# KiCad board lumpen.kicad_pcb (continued)
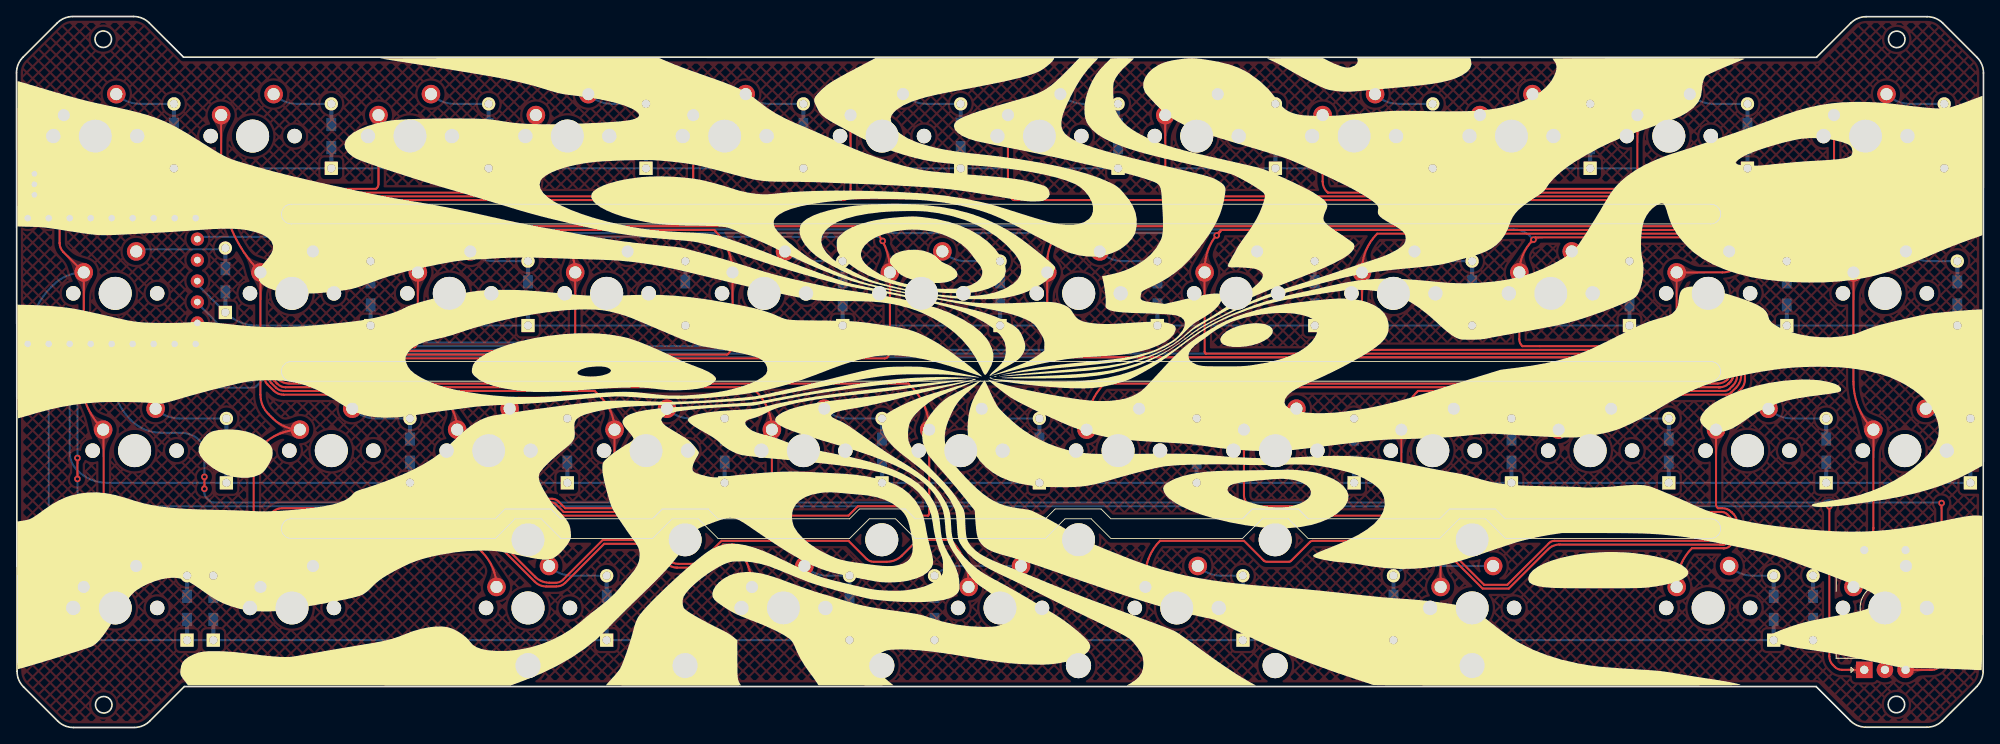
[diagram p0: board, top side]
## Copper pours and planes (outline as drawn; the poured copper is in the pictures) (continued)
Net-(D45-Pad2) on Bottom: 234.96,37.31 235.14,37.3 235.3,37.27 235.43,37.23 235.53,37.17 235.63,37.11 235.72,37.03 235.82,36.96 235.93,36.87 236.05,36.79 236.2,36.71 236.95,37.43 236.2,38.15 236.05,38.07 235.93,37.99 235.82,37.91 235.72,37.83 235.63,37.75 235.53,37.69 235.43,37.63 235.3,37.59 235.14,37.57 234.96,37.56
Net-(D45-Pad2) on Bottom: 233.12,37.66 232.9,37.73 232.73,37.82 232.6,37.93 232.51,38.06 232.45,38.2 232.4,38.36 232.36,38.54 232.31,38.72 232.24,38.92 232.15,39.12 230.7,38.95 230.93,37.51 231.19,37.47 231.41,37.45 231.61,37.45 231.79,37.46 231.96,37.48 232.13,37.5 232.32,37.5 232.54,37.5 232.78,37.47 233.07,37.41
Net-(D46-Pad2) on Bottom: 225.37,19.44 225.58,19.43 225.78,19.43 225.96,19.42 226.13,19.4 226.28,19.38 226.43,19.35 226.56,19.33 226.68,19.29 226.8,19.25 226.92,19.21 227.03,19.16 227.15,19.11 227.26,19.06 227.38,19 227.77,18.79 227.91,18.72 228.07,18.63 228.25,18.55 229.3,19.56 228.25,20.57 228.07,20.49 227.91,20.41 227.77,20.33 227.38,20.13 227.26,20.07 227.15,20.01 227.03,19.96 226.92,19.91 226.8,19.87 226.68,19.83 226.56,19.8 226.43,19.77 226.28,19.74 226.13,19.72 225.96,19.71 225.78,19.7 225.58,19.69 225.37,19.69
Net-(D46-Pad2) on Bottom: 228.57,21.48 228.57,21.41 228.57,21.34 228.56,21.28 228.55,21.21 228.54,21.15 228.53,21.09 228.52,21.03 228.5,20.98 228.48,20.93 228.47,20.88 228.26,20.58 228.76,19 229.14,20.61 228.93,20.89 228.91,20.94 228.89,20.99 228.88,21.04 228.86,21.1 228.85,21.16 228.84,21.22 228.83,21.28 228.83,21.35 228.82,21.41 228.82,21.48
Net-(D46-Pad2) on Bottom: 228.57,21.48 228.56,21.3 228.53,21.15 228.49,21.01 228.44,20.9 228.37,20.79 228.3,20.7 228.22,20.61 228.13,20.53 228.04,20.45 227.96,20.37 228.76,19 229.46,20.43 229.28,20.57 229.19,20.65 229.11,20.73 229.03,20.81 228.96,20.91 228.9,21.03 228.86,21.16 228.83,21.31 228.82,21.48
Net-(D46-Pad2) on Bottom: 218.77,19.38 218.58,19.31 218.42,19.26 218.28,19.24 218.15,19.22 218.02,19.22 217.9,19.22 217.78,19.22 217.64,19.21 217.49,19.19 217.31,19.16 217.19,18.13 218.22,18.05 218.28,18.19 218.32,18.33 218.35,18.46 218.38,18.58 218.41,18.7 218.45,18.8 218.51,18.9 218.6,18.99 218.71,19.07 218.87,19.15
Net-(D46-Pad2) on Bottom: 228.67,19.44 228.78,19.47 228.83,19.54 228.82,19.66 228.77,19.8 228.7,19.96 228.64,20.11 228.58,20.26 228.57,20.37 228.6,20.45 228.7,20.48 228.7,21.98 227.8,21.05 227.92,20.85 228.08,20.66 228.27,20.47 228.47,20.29 228.65,20.12 228.8,19.98 228.89,19.86 228.92,19.77 228.85,19.71 228.67,19.69
Net-(D46-Pad2) on Bottom: 226.49,19.44 226.76,19.42 226.98,19.38 227.16,19.32 227.31,19.23 227.44,19.14 227.57,19.03 227.71,18.91 227.86,18.79 228.03,18.67 228.25,18.55 229.3,19.56 228.25,20.57 228.03,20.46 227.86,20.34 227.71,20.21 227.57,20.1 227.44,19.99 227.31,19.89 227.16,19.81 226.98,19.74 226.76,19.7 226.49,19.69
Net-(D46-Pad2) on Bottom: 219.56,19.61 217.35,19.17 217.19,18.13 218.22,18.05 218.37,18.36 218.41,18.46 218.46,18.55 218.5,18.63 218.55,18.71 218.59,18.79 218.64,18.86 218.7,18.93 218.75,18.99 218.82,19.04 218.89,19.1 218.96,19.15 219.05,19.19 219.14,19.23 219.24,19.27 219.35,19.31 219.47,19.34 219.61,19.37
Net-(MX1-Pad2) on Bottom: 15.14,75.66 14.95,75.66 14.78,75.67 14.62,75.69 14.48,75.72 14.34,75.76 14.22,75.8 14.11,75.85 14,75.91 13.91,75.98 13.82,76.06 13.73,76.14 13.66,76.23 13.58,76.33 13.51,76.43 13.44,76.55 13.37,76.67 13.3,76.8 13.23,76.93 13.08,77.22 11.63,77.05 12.07,75.59 12.27,75.58 12.45,75.58 12.62,75.58 12.77,75.57 12.91,75.56 13.05,75.55 13.18,75.54 13.79,75.47 13.92,75.46 14.06,75.45 14.2,75.43 14.36,75.42 14.53,75.42 14.72,75.41 14.92,75.41 15.14,75.41
Net-(MX1-Pad2) on Bottom: 17.47,75.41 17.66,75.4 17.81,75.37 17.94,75.33 18.05,75.27 18.14,75.21 18.24,75.13 18.33,75.06 18.44,74.97 18.56,74.89 18.71,74.81 19.46,75.53 18.71,76.25 18.56,76.17 18.44,76.09 18.33,76.01 18.24,75.93 18.14,75.85 18.05,75.79 17.94,75.73 17.81,75.69 17.66,75.67 17.47,75.66
Net-(MX1-Pad2) on Bottom: 16.67,75.41 16.82,75.4 16.96,75.4 17.09,75.39 17.21,75.38 17.32,75.37 17.42,75.35 17.51,75.34 17.6,75.31 17.69,75.29 17.77,75.26 17.85,75.23 17.93,75.2 18.02,75.16 18.1,75.12 18.59,74.87 18.71,74.81 19.46,75.53 18.71,76.25 18.59,76.19 18.1,75.94 18.02,75.9 17.93,75.87 17.85,75.83 17.77,75.8 17.69,75.77 17.6,75.75 17.51,75.73 17.42,75.71 17.32,75.69 17.21,75.68 17.09,75.67 16.96,75.66 16.82,75.66 16.67,75.66
Net-(MX1-Pad2) on Bottom: 14.05,75.76 13.82,75.83 13.65,75.92 13.53,76.03 13.44,76.16 13.37,76.3 13.33,76.46 13.28,76.64 13.23,76.82 13.17,77.02 13.08,77.22 11.63,77.05 11.86,75.61 12.11,75.57 12.34,75.55 12.53,75.55 12.71,75.56 12.88,75.58 13.06,75.6 13.25,75.6 13.46,75.6 13.71,75.57 13.99,75.51
Net-(MX3-Pad2) on Bottom: 52.15,75.76 51.92,75.83 51.75,75.92 51.63,76.03 51.54,76.16 51.47,76.3 51.43,76.46 51.38,76.64 51.33,76.82 51.27,77.02 51.18,77.22 49.73,77.05 49.96,75.61 50.21,75.57 50.44,75.55 50.63,75.55 50.81,75.56 50.98,75.58 51.16,75.6 51.35,75.6 51.56,75.6 51.81,75.57 52.09,75.51
Net-(MX3-Pad2) on Bottom: 53.24,75.66 53.05,75.66 52.88,75.67 52.72,75.69 52.58,75.72 52.44,75.76 52.32,75.8 52.21,75.85 52.1,75.91 52.01,75.98 51.92,76.06 51.83,76.14 51.76,76.23 51.68,76.33 51.61,76.43 51.54,76.55 51.47,76.67 51.4,76.8 51.33,76.93 51.18,77.22 49.73,77.05 50.17,75.59 50.37,75.58 50.55,75.58 50.72,75.58 50.87,75.57 51.01,75.56 51.15,75.55 51.28,75.54 51.89,75.47 52.02,75.46 52.16,75.45 52.3,75.43 52.46,75.42 52.63,75.42 52.82,75.41 53.02,75.41 53.24,75.41
Net-(MX3-Pad2) on Bottom: 55.57,75.41 55.76,75.4 55.91,75.37 56.04,75.33 56.15,75.27 56.24,75.21 56.34,75.13 56.43,75.06 56.54,74.97 56.66,74.89 56.81,74.81 57.56,75.53 56.81,76.25 56.66,76.17 56.54,76.09 56.43,76.01 56.34,75.93 56.24,75.85 56.15,75.79 56.04,75.73 55.91,75.69 55.76,75.67 55.57,75.66
Net-(MX3-Pad2) on Bottom: 54.77,75.41 54.92,75.4 55.06,75.4 55.19,75.39 55.31,75.38 55.42,75.37 55.52,75.35 55.61,75.34 55.7,75.31 55.79,75.29 55.87,75.26 55.95,75.23 56.03,75.2 56.12,75.16 56.2,75.12 56.69,74.87 56.81,74.81 57.56,75.53 56.81,76.25 56.69,76.19 56.2,75.94 56.12,75.9 56.03,75.87 55.95,75.83 55.87,75.8 55.79,75.77 55.7,75.75 55.61,75.73 55.52,75.71 55.42,75.69 55.31,75.68 55.19,75.67 55.06,75.66 54.92,75.66 54.77,75.66
Net-(MX5-Pad2) on Bottom: 92.87,75.41 93.02,75.4 93.16,75.4 93.29,75.39 93.41,75.38 93.52,75.37 93.62,75.35 93.71,75.34 93.8,75.31 93.89,75.29 93.97,75.26 94.05,75.23 94.13,75.2 94.22,75.16 94.3,75.12 94.79,74.87 94.91,74.81 95.66,75.53 94.91,76.25 94.79,76.19 94.3,75.94 94.22,75.9 94.13,75.87 94.05,75.83 93.97,75.8 93.89,75.77 93.8,75.75 93.71,75.73 93.62,75.71 93.52,75.69 93.41,75.68 93.29,75.67 93.16,75.66 93.02,75.66 92.87,75.66
Net-(MX5-Pad2) on Bottom: 91.34,75.66 91.15,75.66 90.98,75.67 90.82,75.69 90.68,75.72 90.54,75.76 90.42,75.8 90.31,75.85 90.2,75.91 90.11,75.98 90.02,76.06 89.93,76.14 89.86,76.23 89.78,76.33 89.71,76.43 89.64,76.55 89.57,76.67 89.5,76.8 89.43,76.93 89.28,77.22 87.83,77.05 88.27,75.59 88.47,75.58 88.65,75.58 88.82,75.58 88.97,75.57 89.11,75.56 89.25,75.55 89.38,75.54 89.99,75.47 90.12,75.46 90.26,75.45 90.4,75.43 90.56,75.42 90.73,75.42 90.92,75.41 91.12,75.41 91.34,75.41
Net-(MX5-Pad2) on Bottom: 93.67,75.41 93.86,75.4 94.01,75.37 94.14,75.33 94.25,75.27 94.34,75.21 94.44,75.13 94.53,75.06 94.64,74.97 94.76,74.89 94.91,74.81 95.66,75.53 94.91,76.25 94.76,76.17 94.64,76.09 94.53,76.01 94.44,75.93 94.34,75.85 94.25,75.79 94.14,75.73 94.01,75.69 93.86,75.67 93.67,75.66
Net-(MX5-Pad2) on Bottom: 90.25,75.76 90.02,75.83 89.85,75.92 89.73,76.03 89.64,76.16 89.57,76.3 89.53,76.46 89.48,76.64 89.43,76.82 89.37,77.02 89.28,77.22 87.83,77.05 88.06,75.61 88.31,75.57 88.54,75.55 88.73,75.55 88.91,75.56 89.08,75.58 89.26,75.6 89.45,75.6 89.66,75.6 89.91,75.57 90.19,75.51
Net-(MX7-Pad2) on Bottom: 128.35,75.76 128.12,75.83 127.95,75.92 127.83,76.03 127.74,76.16 127.67,76.3 127.63,76.46 127.58,76.64 127.53,76.82 127.47,77.02 127.38,77.22 125.93,77.05 126.16,75.61 126.41,75.57 126.64,75.55 126.83,75.55 127.01,75.56 127.18,75.58 127.36,75.6 127.55,75.6 127.76,75.6 128.01,75.57 128.29,75.51
Net-(MX7-Pad2) on Bottom: 129.44,75.66 129.25,75.66 129.08,75.67 128.92,75.69 128.78,75.72 128.64,75.76 128.52,75.8 128.41,75.85 128.3,75.91 128.21,75.98 128.12,76.06 128.03,76.14 127.96,76.23 127.88,76.33 127.81,76.43 127.74,76.55 127.67,76.67 127.6,76.8 127.53,76.93 127.38,77.22 125.93,77.05 126.37,75.59 126.57,75.58 126.75,75.58 126.92,75.58 127.07,75.57 127.21,75.56 127.35,75.55 127.48,75.54 128.09,75.47 128.22,75.46 128.36,75.45 128.5,75.43 128.66,75.42 128.83,75.42 129.02,75.41 129.22,75.41 129.44,75.41
Net-(MX7-Pad2) on Bottom: 131.77,75.41 131.96,75.4 132.11,75.37 132.24,75.33 132.35,75.27 132.44,75.21 132.54,75.13 132.63,75.06 132.74,74.97 132.86,74.89 133.01,74.81 133.76,75.53 133.01,76.25 132.86,76.17 132.74,76.09 132.63,76.01 132.54,75.93 132.44,75.85 132.35,75.79 132.24,75.73 132.11,75.69 131.96,75.67 131.77,75.66
Net-(MX7-Pad2) on Bottom: 130.97,75.41 131.12,75.4 131.26,75.4 131.39,75.39 131.51,75.38 131.62,75.37 131.72,75.35 131.81,75.34 131.9,75.31 131.99,75.29 132.07,75.26 132.15,75.23 132.23,75.2 132.32,75.16 132.4,75.12 132.89,74.87 133.01,74.81 133.76,75.53 133.01,76.25 132.89,76.19 132.4,75.94 132.32,75.9 132.23,75.87 132.15,75.83 132.07,75.8 131.99,75.77 131.9,75.75 131.81,75.73 131.72,75.71 131.62,75.69 131.51,75.68 131.39,75.67 131.26,75.66 131.12,75.66 130.97,75.66
Net-(MX9-Pad2) on Bottom: 169.87,75.41 170.06,75.4 170.21,75.37 170.34,75.33 170.45,75.27 170.54,75.21 170.64,75.13 170.73,75.06 170.84,74.97 170.96,74.89 171.11,74.81 171.86,75.53 171.11,76.25 170.96,76.17 170.84,76.09 170.73,76.01 170.64,75.93 170.54,75.85 170.45,75.79 170.34,75.73 170.21,75.69 170.06,75.67 169.87,75.66
Net-(MX9-Pad2) on Bottom: 166.45,75.76 166.22,75.83 166.05,75.92 165.93,76.03 165.84,76.16 165.77,76.3 165.73,76.46 165.68,76.64 165.63,76.82 165.57,77.02 165.48,77.22 164.03,77.05 164.26,75.61 164.51,75.57 164.74,75.55 164.93,75.55 165.11,75.56 165.28,75.58 165.46,75.6 165.65,75.6 165.86,75.6 166.11,75.57 166.39,75.51
Net-(MX9-Pad2) on Bottom: 167.54,75.66 167.35,75.66 167.18,75.67 167.02,75.69 166.88,75.72 166.74,75.76 166.62,75.8 166.51,75.85 166.4,75.91 166.31,75.98 166.22,76.06 166.13,76.14 166.06,76.23 165.98,76.33 165.91,76.43 165.84,76.55 165.77,76.67 165.7,76.8 165.63,76.93 165.48,77.22 164.03,77.05 164.47,75.59 164.67,75.58 164.85,75.58 165.02,75.58 165.17,75.57 165.31,75.56 165.45,75.55 165.58,75.54 166.19,75.47 166.32,75.46 166.46,75.45 166.6,75.43 166.76,75.42 166.93,75.42 167.12,75.41 167.32,75.41 167.54,75.41
Net-(MX9-Pad2) on Bottom: 169.07,75.41 169.22,75.4 169.36,75.4 169.49,75.39 169.61,75.38 169.72,75.37 169.82,75.35 169.91,75.34 170,75.31 170.09,75.29 170.17,75.26 170.25,75.23 170.33,75.2 170.42,75.16 170.5,75.12 170.99,74.87 171.11,74.81 171.86,75.53 171.11,76.25 170.99,76.19 170.5,75.94 170.42,75.9 170.33,75.87 170.25,75.83 170.17,75.8 170.09,75.77 170,75.75 169.91,75.73 169.82,75.71 169.72,75.69 169.61,75.68 169.49,75.67 169.36,75.66 169.22,75.66 169.07,75.66
Net-(MX11-Pad2) on Bottom: 204.55,75.76 204.32,75.83 204.15,75.92 204.03,76.03 203.94,76.16 203.87,76.3 203.83,76.46 203.78,76.64 203.73,76.82 203.67,77.02 203.58,77.22 202.13,77.05 202.36,75.61 202.61,75.57 202.84,75.55 203.03,75.55 203.21,75.56 203.38,75.58 203.56,75.6 203.75,75.6 203.96,75.6 204.21,75.57 204.49,75.51
Net-(MX11-Pad2) on Bottom: 205.64,75.66 205.45,75.66 205.28,75.67 205.12,75.69 204.98,75.72 204.84,75.76 204.72,75.8 204.61,75.85 204.5,75.91 204.41,75.98 204.32,76.06 204.23,76.14 204.16,76.23 204.08,76.33 204.01,76.43 203.94,76.55 203.87,76.67 203.8,76.8 203.73,76.93 203.58,77.22 202.13,77.05 202.57,75.59 202.77,75.58 202.95,75.58 203.12,75.58 203.27,75.57 203.41,75.56 203.55,75.55 203.68,75.54 204.29,75.47 204.42,75.46 204.56,75.45 204.7,75.43 204.86,75.42 205.03,75.42 205.22,75.41 205.42,75.41 205.64,75.41
Net-(MX11-Pad2) on Bottom: 207.17,75.41 207.32,75.4 207.46,75.4 207.59,75.39 207.71,75.38 207.82,75.37 207.92,75.35 208.01,75.34 208.1,75.31 208.19,75.29 208.27,75.26 208.35,75.23 208.43,75.2 208.52,75.16 208.6,75.12 209.09,74.87 209.21,74.81 209.96,75.53 209.21,76.25 209.09,76.19 208.6,75.94 208.52,75.9 208.43,75.87 208.35,75.83 208.27,75.8 208.19,75.77 208.1,75.75 208.01,75.73 207.92,75.71 207.82,75.69 207.71,75.68 207.59,75.67 207.46,75.66 207.32,75.66 207.17,75.66
Net-(MX11-Pad2) on Bottom: 207.97,75.41 208.16,75.4 208.31,75.37 208.44,75.33 208.55,75.27 208.64,75.21 208.74,75.13 208.83,75.06 208.94,74.97 209.06,74.89 209.21,74.81 209.96,75.53 209.21,76.25 209.06,76.17 208.94,76.09 208.83,76.01 208.74,75.93 208.64,75.85 208.55,75.79 208.44,75.73 208.31,75.69 208.16,75.67 207.97,75.66
Net-(MX13-Pad2) on Bottom: 17.84,58.04 17.61,58.04 17.4,58.05 17.21,58.07 17.04,58.08 16.88,58.11 16.73,58.14 16.59,58.17 16.46,58.2 16.33,58.24 16.21,58.28 16.09,58.32 15.71,58.46 15.58,58.51 15.44,58.56 15.28,58.61 15.12,58.66 14.94,58.71 14.74,58.76 13.94,57.54 15.19,56.78 15.47,57 15.59,57.1 15.71,57.19 15.82,57.27 15.93,57.35 16.03,57.42 16.14,57.48 16.25,57.53 16.35,57.58 16.46,57.63 16.58,57.66 16.7,57.7 16.83,57.72 16.97,57.74 17.12,57.76 17.28,57.77 17.45,57.78 17.64,57.79 17.84,57.79
Net-(MX13-Pad2) on Bottom: 23.69,57.79 23.89,57.78 24.06,57.75 24.2,57.71 24.32,57.66 24.43,57.61 24.64,57.48 24.76,57.41 24.91,57.35 25.08,57.3 25.68,58.14 24.8,58.71 24.68,58.61 24.57,58.51 24.48,58.41 24.4,58.33 24.32,58.25 24.23,58.18 24.13,58.12 24.01,58.08 23.87,58.05 23.69,58.04
Net-(MX13-Pad2) on Bottom: 16.72,58.04 16.43,58.05 16.19,58.09 16,58.16 15.83,58.23 15.67,58.32 15.52,58.42 15.37,58.51 15.19,58.6 14.99,58.69 14.74,58.76 13.94,57.54 15.19,56.78 15.36,56.94 15.51,57.08 15.63,57.23 15.74,57.36 15.85,57.48 15.97,57.58 16.1,57.67 16.27,57.73 16.47,57.78 16.72,57.79
Net-(MX13-Pad2) on Bottom: 22.89,57.79 23.05,57.79 23.2,57.78 23.33,57.77 23.46,57.76 23.57,57.75 23.68,57.73 23.78,57.71 23.87,57.69 23.96,57.66 24.05,57.64 24.13,57.61 24.59,57.44 24.7,57.41 24.81,57.37 24.94,57.33 25.08,57.3 25.68,58.14 24.8,58.71 24.6,58.56 24.51,58.49 24.43,58.43 24.35,58.38 24.27,58.33 24.19,58.28 24.11,58.24 24.04,58.21 23.96,58.17 23.88,58.15 23.8,58.12 23.71,58.1 23.62,58.08 23.52,58.07 23.41,58.06 23.3,58.05 23.17,58.04 23.04,58.04 22.89,58.04
Net-(MX15-Pad2) on Bottom: 58,56.61 57.81,56.61 57.64,56.62 57.48,56.64 57.34,56.67 57.21,56.71 57.08,56.75 56.97,56.8 56.87,56.86 56.77,56.93 56.68,57.01 56.6,57.09 56.52,57.18 56.44,57.28 56.37,57.38 56.3,57.5 56.23,57.62 56.16,57.75 56.09,57.88 55.94,58.17 54.49,58 54.94,56.54 55.13,56.53 55.31,56.53 55.48,56.53 55.63,56.52 55.77,56.51 55.91,56.5 56.04,56.49 56.65,56.42 56.78,56.41 56.92,56.4 57.07,56.38 57.22,56.37 57.39,56.37 57.58,56.36 57.78,56.36 58,56.36
Net-(MX15-Pad2) on Bottom: 56.91,56.71 56.69,56.78 56.52,56.87 56.39,56.98 56.3,57.11 56.24,57.25 56.19,57.41 56.14,57.59 56.09,57.77 56.03,57.97 55.94,58.17 54.49,58 54.72,56.56 54.98,56.52 55.2,56.5 55.39,56.5 55.57,56.51 55.75,56.53 55.92,56.55 56.11,56.55 56.32,56.55 56.57,56.52 56.86,56.46
Net-(MX15-Pad2) on Bottom: 59.53,56.36 59.68,56.35 59.82,56.35 59.95,56.34 60.07,56.33 60.18,56.32 60.28,56.3 60.38,56.29 60.47,56.26 60.55,56.24 60.63,56.21 60.72,56.18 60.8,56.15 60.88,56.11 60.96,56.07 61.45,55.82 61.57,55.76 62.32,56.48 61.57,57.2 61.45,57.14 60.96,56.89 60.88,56.85 60.8,56.82 60.72,56.78 60.63,56.75 60.55,56.72 60.47,56.7 60.38,56.68 60.28,56.66 60.18,56.64 60.07,56.63 59.95,56.62 59.82,56.61 59.68,56.61 59.53,56.61
Net-(MX15-Pad2) on Bottom: 60.33,56.36 60.52,56.35 60.67,56.32 60.8,56.28 60.91,56.22 61.01,56.16 61.1,56.08 61.19,56.01 61.3,55.92 61.42,55.84 61.57,55.76 62.32,56.48 61.57,57.2 61.42,57.12 61.3,57.04 61.19,56.96 61.1,56.88 61.01,56.8 60.91,56.74 60.8,56.68 60.67,56.64 60.52,56.62 60.33,56.61
Net-(MX17-Pad2) on Bottom: 98.43,56.36 98.62,56.35 98.77,56.32 98.9,56.28 99.01,56.22 99.11,56.16 99.2,56.08 99.29,56.01 99.4,55.92 99.52,55.84 99.67,55.76 100.42,56.48 99.67,57.2 99.52,57.12 99.4,57.04 99.29,56.96 99.2,56.88 99.11,56.8 99.01,56.74 98.9,56.68 98.77,56.64 98.62,56.62 98.43,56.61
Net-(MX17-Pad2) on Bottom: 97.63,56.36 97.78,56.35 97.92,56.35 98.05,56.34 98.17,56.33 98.28,56.32 98.38,56.3 98.48,56.29 98.57,56.26 98.65,56.24 98.73,56.21 98.82,56.18 98.9,56.15 98.98,56.11 99.06,56.07 99.55,55.82 99.67,55.76 100.42,56.48 99.67,57.2 99.55,57.14 99.06,56.89 98.98,56.85 98.9,56.82 98.82,56.78 98.73,56.75 98.65,56.72 98.57,56.7 98.48,56.68 98.38,56.66 98.28,56.64 98.17,56.63 98.05,56.62 97.92,56.61 97.78,56.61 97.63,56.61
Net-(MX17-Pad2) on Bottom: 96.1,56.61 95.91,56.61 95.74,56.62 95.58,56.64 95.44,56.67 95.31,56.71 95.18,56.75 95.07,56.8 94.97,56.86 94.87,56.93 94.78,57.01 94.7,57.09 94.62,57.18 94.54,57.28 94.47,57.38 94.4,57.5 94.33,57.62 94.26,57.75 94.19,57.88 94.04,58.17 92.59,58 93.04,56.54 93.23,56.53 93.41,56.53 93.58,56.53 93.73,56.52 93.87,56.51 94.01,56.5 94.14,56.49 94.75,56.42 94.88,56.41 95.02,56.4 95.17,56.38 95.32,56.37 95.49,56.37 95.68,56.36 95.88,56.36 96.1,56.36
Net-(MX17-Pad2) on Bottom: 95.01,56.71 94.79,56.78 94.62,56.87 94.49,56.98 94.4,57.11 94.34,57.25 94.29,57.41 94.24,57.59 94.19,57.77 94.13,57.97 94.04,58.17 92.59,58 92.82,56.56 93.08,56.52 93.3,56.5 93.49,56.5 93.67,56.51 93.85,56.53 94.02,56.55 94.21,56.55 94.42,56.55 94.67,56.52 94.96,56.46
Net-(MX19-Pad2) on Bottom: 136.53,56.36 136.72,56.35 136.87,56.32 137,56.28 137.11,56.22 137.21,56.16 137.3,56.08 137.39,56.01 137.5,55.92 137.62,55.84 137.77,55.76 138.52,56.48 137.77,57.2 137.62,57.12 137.5,57.04 137.39,56.96 137.3,56.88 137.21,56.8 137.11,56.74 137,56.68 136.87,56.64 136.72,56.62 136.53,56.61
Net-(MX19-Pad2) on Bottom: 135.73,56.36 135.88,56.35 136.02,56.35 136.15,56.34 136.27,56.33 136.38,56.32 136.48,56.3 136.58,56.29 136.67,56.26 136.75,56.24 136.83,56.21 136.92,56.18 137,56.15 137.08,56.11 137.16,56.07 137.65,55.82 137.77,55.76 138.52,56.48 137.77,57.2 137.65,57.14 137.16,56.89 137.08,56.85 137,56.82 136.92,56.78 136.83,56.75 136.75,56.72 136.67,56.7 136.58,56.68 136.48,56.66 136.38,56.64 136.27,56.63 136.15,56.62 136.02,56.61 135.88,56.61 135.73,56.61
Net-(MX19-Pad2) on Bottom: 134.2,56.61 134.01,56.61 133.84,56.62 133.68,56.64 133.54,56.67 133.41,56.71 133.28,56.75 133.17,56.8 133.07,56.86 132.97,56.93 132.88,57.01 132.8,57.09 132.72,57.18 132.64,57.28 132.57,57.38 132.5,57.5 132.43,57.62 132.36,57.75 132.29,57.88 132.14,58.17 130.69,58 131.14,56.54 131.33,56.53 131.51,56.53 131.68,56.53 131.83,56.52 131.97,56.51 132.11,56.5 132.24,56.49 132.85,56.42 132.98,56.41 133.12,56.4 133.27,56.38 133.42,56.37 133.59,56.37 133.78,56.36 133.98,56.36 134.2,56.36
Net-(MX19-Pad2) on Bottom: 133.11,56.71 132.89,56.78 132.72,56.87 132.59,56.98 132.5,57.11 132.44,57.25 132.39,57.41 132.34,57.59 132.29,57.77 132.23,57.97 132.14,58.17 130.69,58 130.92,56.56 131.18,56.52 131.4,56.5 131.59,56.5 131.77,56.51 131.95,56.53 132.12,56.55 132.31,56.55 132.52,56.55 132.77,56.52 133.06,56.46
Net-(MX21-Pad2) on Bottom: 171.21,56.71 170.99,56.78 170.82,56.87 170.69,56.98 170.6,57.11 170.54,57.25 170.49,57.41 170.44,57.59 170.39,57.77 170.33,57.97 170.24,58.17 168.79,58 169.02,56.56 169.28,56.52 169.5,56.5 169.69,56.5 169.87,56.51 170.05,56.53 170.22,56.55 170.41,56.55 170.62,56.55 170.87,56.52 171.16,56.46
Net-(MX21-Pad2) on Bottom: 172.3,56.61 172.11,56.61 171.94,56.62 171.78,56.64 171.64,56.67 171.51,56.71 171.38,56.75 171.27,56.8 171.17,56.86 171.07,56.93 170.98,57.01 170.9,57.09 170.82,57.18 170.74,57.28 170.67,57.38 170.6,57.5 170.53,57.62 170.46,57.75 170.39,57.88 170.24,58.17 168.79,58 169.24,56.54 169.43,56.53 169.61,56.53 169.78,56.53 169.93,56.52 170.07,56.51 170.21,56.5 170.34,56.49 170.95,56.42 171.08,56.41 171.22,56.4 171.37,56.38 171.52,56.37 171.69,56.37 171.88,56.36 172.08,56.36 172.3,56.36
Net-(MX21-Pad2) on Bottom: 174.63,56.36 174.82,56.35 174.97,56.32 175.1,56.28 175.21,56.22 175.31,56.16 175.4,56.08 175.49,56.01 175.6,55.92 175.72,55.84 175.87,55.76 176.62,56.48 175.87,57.2 175.72,57.12 175.6,57.04 175.49,56.96 175.4,56.88 175.31,56.8 175.21,56.74 175.1,56.68 174.97,56.64 174.82,56.62 174.63,56.61
Net-(MX21-Pad2) on Bottom: 173.83,56.36 173.98,56.35 174.12,56.35 174.25,56.34 174.37,56.33 174.48,56.32 174.58,56.3 174.68,56.29 174.77,56.26 174.85,56.24 174.93,56.21 175.02,56.18 175.1,56.15 175.18,56.11 175.26,56.07 175.75,55.82 175.87,55.76 176.62,56.48 175.87,57.2 175.75,57.14 175.26,56.89 175.18,56.85 175.1,56.82 175.02,56.78 174.93,56.75 174.85,56.72 174.77,56.7 174.68,56.68 174.58,56.66 174.48,56.64 174.37,56.63 174.25,56.62 174.12,56.61 173.98,56.61 173.83,56.61
Net-(MX23-Pad2) on Bottom: 210.4,56.61 210.21,56.61 210.04,56.62 209.88,56.64 209.74,56.67 209.61,56.71 209.48,56.75 209.37,56.8 209.27,56.86 209.17,56.93 209.08,57.01 209,57.09 208.92,57.18 208.84,57.28 208.77,57.38 208.7,57.5 208.63,57.62 208.56,57.75 208.49,57.88 208.34,58.17 206.89,58 207.34,56.54 207.53,56.53 207.71,56.53 207.88,56.53 208.03,56.52 208.17,56.51 208.31,56.5 208.44,56.49 209.05,56.42 209.18,56.41 209.32,56.4 209.47,56.38 209.62,56.37 209.79,56.37 209.98,56.36 210.18,56.36 210.4,56.36
Net-(MX23-Pad2) on Bottom: 211.93,56.36 212.08,56.35 212.22,56.35 212.35,56.34 212.47,56.33 212.58,56.32 212.68,56.3 212.78,56.29 212.87,56.26 212.95,56.24 213.03,56.21 213.12,56.18 213.2,56.15 213.28,56.11 213.36,56.07 213.85,55.82 213.97,55.76 214.72,56.48 213.97,57.2 213.85,57.14 213.36,56.89 213.28,56.85 213.2,56.82 213.12,56.78 213.03,56.75 212.95,56.72 212.87,56.7 212.78,56.68 212.68,56.66 212.58,56.64 212.47,56.63 212.35,56.62 212.22,56.61 212.08,56.61 211.93,56.61
Net-(MX23-Pad2) on Bottom: 212.73,56.36 212.92,56.35 213.07,56.32 213.2,56.28 213.31,56.22 213.41,56.16 213.5,56.08 213.59,56.01 213.7,55.92 213.82,55.84 213.97,55.76 214.72,56.48 213.97,57.2 213.82,57.12 213.7,57.04 213.59,56.96 213.5,56.88 213.41,56.8 213.31,56.74 213.2,56.68 213.07,56.64 212.92,56.62 212.73,56.61
Net-(MX23-Pad2) on Bottom: 209.31,56.71 209.09,56.78 208.92,56.87 208.79,56.98 208.7,57.11 208.64,57.25 208.59,57.41 208.54,57.59 208.49,57.77 208.43,57.97 208.34,58.17 206.89,58 207.12,56.56 207.38,56.52 207.6,56.5 207.79,56.5 207.97,56.51 208.15,56.53 208.32,56.55 208.51,56.55 208.72,56.55 208.97,56.52 209.26,56.46
Net-(MX25-Pad2) on Bottom: 19.9,37.56 19.71,37.56 19.54,37.57 19.38,37.59 19.24,37.62 19.11,37.66 18.98,37.7 18.87,37.75 18.77,37.81 18.67,37.88 18.58,37.96 18.5,38.04 18.42,38.13 18.34,38.23 18.27,38.33 18.2,38.45 18.13,38.57 18.06,38.7 17.99,38.83 17.84,39.12 16.39,38.95 16.84,37.49 17.03,37.48 17.21,37.48 17.38,37.48 17.53,37.47 17.67,37.46 17.81,37.45 17.94,37.44 18.55,37.37 18.68,37.36 18.82,37.35 18.97,37.33 19.12,37.32 19.29,37.32 19.48,37.31 19.68,37.31 19.9,37.31
Net-(MX25-Pad2) on Bottom: 18.81,37.66 18.59,37.73 18.42,37.82 18.29,37.93 18.2,38.06 18.14,38.2 18.09,38.36 18.04,38.54 17.99,38.72 17.93,38.92 17.84,39.12 16.39,38.95 16.62,37.51 16.88,37.47 17.1,37.45 17.29,37.45 17.47,37.46 17.65,37.48 17.82,37.5 18.01,37.5 18.22,37.5 18.47,37.47 18.76,37.41
Net-(MX25-Pad2) on Bottom: 23.82,37.31 24.01,37.3 24.16,37.27 24.29,37.23 24.4,37.17 24.49,37.11 24.59,37.03 24.68,36.96 24.79,36.87 24.91,36.79 25.06,36.71 25.81,37.43 25.06,38.15 24.91,38.07 24.79,37.99 24.68,37.91 24.59,37.83 24.49,37.75 24.4,37.69 24.29,37.63 24.16,37.59 24.01,37.57 23.82,37.56
Net-(MX25-Pad2) on Bottom: 23.02,37.31 23.17,37.3 23.31,37.3 23.44,37.29 23.56,37.28 23.67,37.27 23.77,37.25 23.86,37.24 23.95,37.21 24.04,37.19 24.12,37.16 24.2,37.13 24.28,37.1 24.37,37.06 24.45,37.02 24.94,36.77 25.06,36.71 25.81,37.43 25.06,38.15 24.94,38.09 24.45,37.84 24.37,37.8 24.28,37.77 24.2,37.73 24.12,37.7 24.04,37.67 23.95,37.65 23.86,37.63 23.77,37.61 23.67,37.59 23.56,37.58 23.44,37.57 23.31,37.56 23.17,37.56 23.02,37.56
Net-(MX27-Pad2) on Bottom: 64.29,37.31 64.45,37.3 64.59,37.3 64.72,37.29 64.83,37.28 64.94,37.27 65.04,37.25 65.14,37.24 65.23,37.21 65.31,37.19 65.4,37.16 65.48,37.13 65.56,37.1 65.64,37.06 65.72,37.02 66.21,36.77 66.34,36.71 67.08,37.43 66.34,38.15 66.21,38.09 65.72,37.84 65.64,37.8 65.56,37.77 65.48,37.73 65.4,37.7 65.31,37.67 65.23,37.65 65.14,37.63 65.04,37.61 64.94,37.59 64.83,37.58 64.72,37.57 64.59,37.56 64.45,37.56 64.29,37.56
Net-(MX27-Pad2) on Bottom: 61.67,37.66 61.45,37.73 61.28,37.82 61.15,37.93 61.06,38.06 61,38.2 60.95,38.36 60.91,38.54 60.86,38.72 60.79,38.92 60.7,39.12 59.25,38.95 59.48,37.51 59.74,37.47 59.96,37.45 60.16,37.45 60.34,37.46 60.51,37.48 60.68,37.5 60.87,37.5 61.09,37.5 61.33,37.47 61.62,37.41
Net-(MX27-Pad2) on Bottom: 62.76,37.56 62.58,37.56 62.41,37.57 62.25,37.59 62.1,37.62 61.97,37.66 61.85,37.7 61.73,37.75 61.63,37.81 61.53,37.88 61.44,37.96 61.36,38.04 61.28,38.13 61.21,38.23 61.13,38.33 61.06,38.45 60.99,38.57 60.92,38.7 60.85,38.83 60.7,39.12 59.25,38.95 59.7,37.49 59.9,37.48 60.07,37.48 60.24,37.48 60.39,37.47 60.54,37.46 60.67,37.45 60.8,37.44 61.41,37.37 61.55,37.36 61.68,37.35 61.83,37.33 61.99,37.32 62.16,37.32 62.34,37.31 62.54,37.31 62.76,37.31
Net-(MX27-Pad2) on Bottom: 65.09,37.31 65.28,37.3 65.44,37.27 65.56,37.23 65.67,37.17 65.77,37.11 65.86,37.03 65.96,36.96 66.06,36.87 66.19,36.79 66.34,36.71 67.08,37.43 66.34,38.15 66.19,38.07 66.06,37.99 65.96,37.91 65.86,37.83 65.77,37.75 65.67,37.69 65.56,37.63 65.44,37.59 65.28,37.57 65.09,37.56
Net-(MX29-Pad2) on Bottom: 103.19,37.31 103.38,37.3 103.54,37.27 103.66,37.23 103.77,37.17 103.87,37.11 103.96,37.03 104.06,36.96 104.16,36.87 104.29,36.79 104.44,36.71 105.18,37.43 104.44,38.15 104.29,38.07 104.16,37.99 104.06,37.91 103.96,37.83 103.87,37.75 103.77,37.69 103.66,37.63 103.54,37.59 103.38,37.57 103.19,37.56
Net-(MX29-Pad2) on Bottom: 100.86,37.56 100.68,37.56 100.51,37.57 100.35,37.59 100.2,37.62 100.07,37.66 99.95,37.7 99.83,37.75 99.73,37.81 99.63,37.88 99.54,37.96 99.46,38.04 99.38,38.13 99.31,38.23 99.23,38.33 99.16,38.45 99.09,38.57 99.02,38.7 98.95,38.83 98.8,39.12 97.35,38.95 97.8,37.49 98,37.48 98.17,37.48 98.34,37.48 98.49,37.47 98.64,37.46 98.77,37.45 98.9,37.44 99.51,37.37 99.65,37.36 99.78,37.35 99.93,37.33 100.09,37.32 100.26,37.32 100.44,37.31 100.64,37.31 100.86,37.31
Net-(MX29-Pad2) on Bottom: 99.77,37.66 99.55,37.73 99.38,37.82 99.25,37.93 99.16,38.06 99.1,38.2 99.05,38.36 99.01,38.54 98.96,38.72 98.89,38.92 98.8,39.12 97.35,38.95 97.58,37.51 97.84,37.47 98.06,37.45 98.26,37.45 98.44,37.46 98.61,37.48 98.78,37.5 98.97,37.5 99.19,37.5 99.43,37.47 99.72,37.41
Net-(MX29-Pad2) on Bottom: 102.39,37.31 102.55,37.3 102.69,37.3 102.82,37.29 102.93,37.28 103.04,37.27 103.14,37.25 103.24,37.24 103.33,37.21 103.41,37.19 103.5,37.16 103.58,37.13 103.66,37.1 103.74,37.06 103.82,37.02 104.31,36.77 104.44,36.71 105.18,37.43 104.44,38.15 104.31,38.09 103.82,37.84 103.74,37.8 103.66,37.77 103.58,37.73 103.5,37.7 103.41,37.67 103.33,37.65 103.24,37.63 103.14,37.61 103.04,37.59 102.93,37.58 102.82,37.57 102.69,37.56 102.55,37.56 102.39,37.56
Net-(MX31-Pad2) on Bottom: 137.87,37.66 137.65,37.73 137.48,37.82 137.35,37.93 137.26,38.06 137.2,38.2 137.15,38.36 137.11,38.54 137.06,38.72 136.99,38.92 136.9,39.12 135.45,38.95 135.68,37.51 135.94,37.47 136.16,37.45 136.36,37.45 136.54,37.46 136.71,37.48 136.88,37.5 137.07,37.5 137.29,37.5 137.53,37.47 137.82,37.41
Net-(MX31-Pad2) on Bottom: 138.96,37.56 138.78,37.56 138.61,37.57 138.45,37.59 138.3,37.62 138.17,37.66 138.05,37.7 137.93,37.75 137.83,37.81 137.73,37.88 137.64,37.96 137.56,38.04 137.48,38.13 137.41,38.23 137.33,38.33 137.26,38.45 137.19,38.57 137.12,38.7 137.05,38.83 136.9,39.12 135.45,38.95 135.9,37.49 136.1,37.48 136.27,37.48 136.44,37.48 136.59,37.47 136.74,37.46 136.87,37.45 137,37.44 137.61,37.37 137.75,37.36 137.88,37.35 138.03,37.33 138.19,37.32 138.36,37.32 138.54,37.31 138.74,37.31 138.96,37.31
Net-(MX31-Pad2) on Bottom: 141.29,37.31 141.48,37.3 141.64,37.27 141.76,37.23 141.87,37.17 141.97,37.11 142.06,37.03 142.16,36.96 142.26,36.87 142.39,36.79 142.54,36.71 143.28,37.43 142.54,38.15 142.39,38.07 142.26,37.99 142.16,37.91 142.06,37.83 141.97,37.75 141.87,37.69 141.76,37.63 141.64,37.59 141.48,37.57 141.29,37.56
Net-(MX31-Pad2) on Bottom: 140.49,37.31 140.65,37.3 140.79,37.3 140.92,37.29 141.03,37.28 141.14,37.27 141.24,37.25 141.34,37.24 141.43,37.21 141.51,37.19 141.6,37.16 141.68,37.13 141.76,37.1 141.84,37.06 141.92,37.02 142.41,36.77 142.54,36.71 143.28,37.43 142.54,38.15 142.41,38.09 141.92,37.84 141.84,37.8 141.76,37.77 141.68,37.73 141.6,37.7 141.51,37.67 141.43,37.65 141.34,37.63 141.24,37.61 141.14,37.59 141.03,37.58 140.92,37.57 140.79,37.56 140.65,37.56 140.49,37.56
Net-(MX33-Pad2) on Bottom: 178.59,37.31 178.75,37.3 178.89,37.3 179.02,37.29 179.13,37.28 179.24,37.27 179.34,37.25 179.44,37.24 179.53,37.21 179.61,37.19 179.7,37.16 179.78,37.13 179.86,37.1 179.94,37.06 180.02,37.02 180.51,36.77 180.64,36.71 181.38,37.43 180.64,38.15 180.51,38.09 180.02,37.84 179.94,37.8 179.86,37.77 179.78,37.73 179.7,37.7 179.61,37.67 179.53,37.65 179.44,37.63 179.34,37.61 179.24,37.59 179.13,37.58 179.02,37.57 178.89,37.56 178.75,37.56 178.59,37.56
Net-(MX33-Pad2) on Bottom: 177.06,37.56 176.88,37.56 176.71,37.57 176.55,37.59 176.4,37.62 176.27,37.66 176.15,37.7 176.03,37.75 175.93,37.81 175.83,37.88 175.74,37.96 175.66,38.04 175.58,38.13 175.51,38.23 175.43,38.33 175.36,38.45 175.29,38.57 175.22,38.7 175.15,38.83 175,39.12 173.55,38.95 174,37.49 174.2,37.48 174.37,37.48 174.54,37.48 174.69,37.47 174.84,37.46 174.97,37.45 175.1,37.44 175.71,37.37 175.85,37.36 175.98,37.35 176.13,37.33 176.29,37.32 176.46,37.32 176.64,37.31 176.84,37.31 177.06,37.31
Net-(MX33-Pad2) on Bottom: 179.39,37.31 179.58,37.3 179.74,37.27 179.86,37.23 179.97,37.17 180.07,37.11 180.16,37.03 180.26,36.96 180.36,36.87 180.49,36.79 180.64,36.71 181.38,37.43 180.64,38.15 180.49,38.07 180.36,37.99 180.26,37.91 180.16,37.83 180.07,37.75 179.97,37.69 179.86,37.63 179.74,37.59 179.58,37.57 179.39,37.56
Net-(MX33-Pad2) on Bottom: 175.97,37.66 175.75,37.73 175.58,37.82 175.45,37.93 175.36,38.06 175.3,38.2 175.25,38.36 175.21,38.54 175.16,38.72 175.09,38.92 175,39.12 173.55,38.95 173.78,37.51 174.04,37.47 174.26,37.45 174.46,37.45 174.64,37.46 174.81,37.48 174.98,37.5 175.17,37.5 175.39,37.5 175.63,37.47 175.92,37.41
Net-(MX35-Pad2) on Bottom: 215.16,37.56 214.98,37.56 214.81,37.57 214.65,37.59 214.5,37.62 214.37,37.66 214.25,37.7 214.13,37.75 214.03,37.81 213.93,37.88 213.84,37.96 213.76,38.04 213.68,38.13 213.61,38.23 213.53,38.33 213.46,38.45 213.39,38.57 213.32,38.7 213.25,38.83 213.1,39.12 211.65,38.95 212.1,37.49 212.3,37.48 212.47,37.48 212.64,37.48 212.79,37.47 212.94,37.46 213.07,37.45 213.2,37.44 213.81,37.37 213.95,37.36 214.08,37.35 214.23,37.33 214.39,37.32 214.56,37.32 214.74,37.31 214.94,37.31 215.16,37.31
Net-(MX35-Pad2) on Bottom: 214.07,37.66 213.85,37.73 213.68,37.82 213.55,37.93 213.46,38.06 213.4,38.2 213.35,38.36 213.31,38.54 213.26,38.72 213.19,38.92 213.1,39.12 211.65,38.95 211.88,37.51 212.14,37.47 212.36,37.45 212.56,37.45 212.74,37.46 212.91,37.48 213.08,37.5 213.27,37.5 213.49,37.5 213.73,37.47 214.02,37.41
Net-(MX35-Pad2) on Bottom: 217.49,37.31 217.68,37.3 217.84,37.27 217.96,37.23 218.07,37.17 218.17,37.11 218.26,37.03 218.36,36.96 218.46,36.87 218.59,36.79 218.74,36.71 219.48,37.43 218.74,38.15 218.59,38.07 218.46,37.99 218.36,37.91 218.26,37.83 218.17,37.75 218.07,37.69 217.96,37.63 217.84,37.59 217.68,37.57 217.49,37.56
Net-(MX35-Pad2) on Bottom: 216.69,37.31 216.85,37.3 216.99,37.3 217.12,37.29 217.23,37.28 217.34,37.27 217.44,37.25 217.54,37.24 217.63,37.21 217.71,37.19 217.8,37.16 217.88,37.13 217.96,37.1 218.04,37.06 218.12,37.02 218.61,36.77 218.74,36.71 219.48,37.43 218.74,38.15 218.61,38.09 218.12,37.84 218.04,37.8 217.96,37.77 217.88,37.73 217.8,37.7 217.71,37.67 217.63,37.65 217.54,37.63 217.44,37.61 217.34,37.59 217.23,37.58 217.12,37.57 216.99,37.56 216.85,37.56 216.69,37.56
Net-(MX37-Pad2) on Bottom: 16.46,18.61 16.24,18.68 16.07,18.77 15.94,18.88 15.85,19.01 15.79,19.15 15.74,19.31 15.69,19.49 15.64,19.67 15.58,19.87 15.49,20.07 14.04,19.9 14.27,18.46 14.53,18.42 14.75,18.4 14.95,18.4 15.12,18.41 15.3,18.43 15.47,18.45 15.66,18.45 15.87,18.45 16.12,18.42 16.41,18.36
Net-(MX37-Pad2) on Bottom: 18.26,18.26 18.41,18.25 18.55,18.25 18.68,18.24 18.8,18.23 18.91,18.22 19.01,18.2 19.1,18.19 19.19,18.16 19.28,18.14 19.36,18.11 19.44,18.08 19.52,18.05 19.6,18.01 19.69,17.97 20.18,17.72 20.3,17.66 21.05,18.38 20.3,19.1 20.18,19.04 19.69,18.79 19.6,18.75 19.52,18.72 19.44,18.68 19.36,18.65 19.28,18.62 19.19,18.6 19.1,18.58 19.01,18.56 18.91,18.54 18.8,18.53 18.68,18.52 18.55,18.51 18.41,18.51 18.26,18.51
Net-(MX37-Pad2) on Bottom: 17.55,18.51 17.37,18.51 17.19,18.52 17.04,18.54 16.89,18.57 16.76,18.61 16.63,18.65 16.52,18.7 16.42,18.76 16.32,18.83 16.23,18.91 16.15,18.99 16.07,19.08 15.99,19.18 15.92,19.28 15.85,19.4 15.78,19.52 15.71,19.65 15.64,19.78 15.49,20.07 14.04,19.9 14.49,18.44 14.68,18.43 14.86,18.43 15.03,18.43 15.18,18.42 15.33,18.41 15.46,18.4 15.59,18.39 16.2,18.32 16.33,18.31 16.47,18.3 16.62,18.28 16.77,18.27 16.94,18.27 17.13,18.26 17.33,18.26 17.55,18.26
Net-(MX37-Pad2) on Bottom: 19.06,18.26 19.24,18.25 19.4,18.22 19.53,18.18 19.63,18.12 19.73,18.06 19.82,17.98 19.92,17.91 20.03,17.82 20.15,17.74 20.3,17.66 21.05,18.38 20.3,19.1 20.15,19.02 20.03,18.94 19.92,18.86 19.82,18.78 19.73,18.7 19.63,18.64 19.53,18.58 19.4,18.54 19.24,18.52 19.06,18.51
Net-(MX39-Pad2) on Bottom: 69.86,18.26 70.04,18.25 70.2,18.22 70.33,18.18 70.43,18.12 70.53,18.06 70.62,17.98 70.72,17.91 70.83,17.82 70.95,17.74 71.1,17.66 71.85,18.38 71.1,19.1 70.95,19.02 70.83,18.94 70.72,18.86 70.62,18.78 70.53,18.7 70.43,18.64 70.33,18.58 70.2,18.54 70.04,18.52 69.86,18.51
Net-(MX39-Pad2) on Bottom: 66.44,18.61 66.21,18.68 66.04,18.77 65.92,18.88 65.83,19.01 65.76,19.15 65.71,19.31 65.67,19.49 65.62,19.67 65.55,19.87 65.46,20.07 64.01,19.9 64.24,18.46 64.5,18.42 64.72,18.4 64.92,18.4 65.1,18.41 65.27,18.43 65.45,18.45 65.64,18.45 65.85,18.45 66.09,18.42 66.38,18.36
Net-(MX39-Pad2) on Bottom: 67.53,18.51 67.34,18.51 67.17,18.52 67.01,18.54 66.86,18.57 66.73,18.61 66.61,18.65 66.5,18.7 66.39,18.76 66.3,18.83 66.21,18.91 66.12,18.99 66.04,19.08 65.97,19.18 65.9,19.28 65.82,19.4 65.75,19.52 65.68,19.65 65.61,19.78 65.46,20.07 64.01,19.9 64.46,18.44 64.66,18.43 64.84,18.43 65,18.43 65.16,18.42 65.3,18.41 65.43,18.4 65.56,18.39 66.18,18.32 66.31,18.31 66.45,18.3 66.59,18.28 66.75,18.27 66.92,18.27 67.1,18.26 67.31,18.26 67.53,18.26
Net-(MX39-Pad2) on Bottom: 69.06,18.26 69.21,18.25 69.35,18.25 69.48,18.24 69.6,18.23 69.71,18.22 69.81,18.2 69.9,18.19 69.99,18.16 70.08,18.14 70.16,18.11 70.24,18.08 70.32,18.05 70.4,18.01 70.49,17.97 70.98,17.72 71.1,17.66 71.85,18.38 71.1,19.1 70.98,19.04 70.49,18.79 70.4,18.75 70.32,18.72 70.24,18.68 70.16,18.65 70.08,18.62 69.99,18.6 69.9,18.58 69.81,18.56 69.71,18.54 69.6,18.53 69.48,18.52 69.35,18.51 69.21,18.51 69.06,18.51
Net-(MX42-Pad2) on Bottom: 146.88,18.26 147.07,18.25 147.22,18.22 147.35,18.18 147.46,18.12 147.56,18.06 147.65,17.98 147.74,17.91 147.85,17.82 147.97,17.74 148.12,17.66 148.87,18.38 148.12,19.1 147.97,19.02 147.85,18.94 147.74,18.86 147.65,18.78 147.56,18.7 147.46,18.64 147.35,18.58 147.22,18.54 147.07,18.52 146.88,18.51
Net-(MX42-Pad2) on Bottom: 146.08,18.51 145.89,18.51 145.72,18.52 145.56,18.54 145.41,18.57 145.28,18.61 145.16,18.65 145.05,18.7 144.94,18.76 144.84,18.83 144.76,18.91 144.67,18.99 144.59,19.08 144.52,19.18 144.44,19.28 144.37,19.4 144.3,19.52 144.23,19.65 144.16,19.78 144.01,20.07 142.56,19.9 143.01,18.44 143.21,18.43 143.39,18.43 143.55,18.43 143.71,18.42 143.85,18.41 143.98,18.4 144.11,18.39 144.73,18.32 144.86,18.31 144.99,18.3 145.14,18.28 145.3,18.27 145.47,18.27 145.65,18.26 145.86,18.26 146.08,18.26
Net-(MX42-Pad2) on Bottom: 146.08,18.26 146.24,18.25 146.38,18.25 146.5,18.24 146.62,18.23 146.73,18.22 146.83,18.2 146.93,18.19 147.02,18.16 147.1,18.14 147.19,18.11 147.27,18.08 147.35,18.05 147.43,18.01 147.51,17.97 148,17.72 148.12,17.66 148.87,18.38 148.12,19.1 148,19.04 147.51,18.79 147.43,18.75 147.35,18.72 147.27,18.68 147.19,18.65 147.1,18.62 147.02,18.6 146.93,18.58 146.83,18.56 146.73,18.54 146.62,18.53 146.5,18.52 146.38,18.51 146.24,18.51 146.08,18.51
Net-(MX42-Pad2) on Bottom: 144.99,18.61 144.76,18.68 144.59,18.77 144.46,18.88 144.38,19.01 144.31,19.15 144.26,19.31 144.22,19.49 144.17,19.67 144.1,19.87 144.01,20.07 142.56,19.9 142.79,18.46 143.05,18.42 143.27,18.4 143.47,18.4 143.65,18.41 143.82,18.43 144,18.45 144.19,18.45 144.4,18.45 144.64,18.42 144.93,18.36
Net-(MX44-Pad2) on Bottom: 210.34,18.26 210.5,18.25 210.64,18.25 210.77,18.24 210.88,18.23 210.99,18.22 211.09,18.2 211.19,18.19 211.28,18.16 211.36,18.14 211.45,18.11 211.53,18.08 211.61,18.05 211.69,18.01 211.77,17.97 212.26,17.72 212.39,17.66 213.13,18.38 212.39,19.1 212.26,19.04 211.77,18.79 211.69,18.75 211.61,18.72 211.53,18.68 211.45,18.65 211.36,18.62 211.28,18.6 211.19,18.58 211.09,18.56 210.99,18.54 210.88,18.53 210.77,18.52 210.64,18.51 210.5,18.51 210.34,18.51
Net-(MX44-Pad2) on Bottom: 209.31,18.61 209.09,18.68 208.92,18.77 208.79,18.88 208.7,19.01 208.64,19.15 208.59,19.31 208.54,19.49 208.49,19.67 208.43,19.87 208.34,20.07 206.89,19.9 207.12,18.46 207.38,18.42 207.6,18.4 207.79,18.4 207.97,18.41 208.15,18.43 208.32,18.45 208.51,18.45 208.72,18.45 208.97,18.42 209.26,18.36
Net-(MX44-Pad2) on Bottom: 210.4,18.51 210.21,18.51 210.04,18.52 209.88,18.54 209.74,18.57 209.61,18.61 209.48,18.65 209.37,18.7 209.27,18.76 209.17,18.83 209.08,18.91 209,18.99 208.92,19.08 208.84,19.18 208.77,19.28 208.7,19.4 208.63,19.52 208.56,19.65 208.49,19.78 208.34,20.07 206.89,19.9 207.34,18.44 207.53,18.43 207.71,18.43 207.88,18.43 208.03,18.42 208.17,18.41 208.31,18.4 208.44,18.39 209.05,18.32 209.18,18.31 209.32,18.3 209.47,18.28 209.62,18.27 209.79,18.27 209.98,18.26 210.18,18.26 210.4,18.26
Net-(MX44-Pad2) on Bottom: 211.14,18.26 211.33,18.25 211.49,18.22 211.61,18.18 211.72,18.12 211.82,18.06 211.91,17.98 212.01,17.91 212.11,17.82 212.24,17.74 212.39,17.66 213.13,18.38 212.39,19.1 212.24,19.02 212.11,18.94 212.01,18.86 211.91,18.78 211.82,18.7 211.72,18.64 211.61,18.58 211.49,18.54 211.33,18.52 211.14,18.51

Small or netless copper shapes (teardrops, artwork), in the pictures only: 32 on Top, 23 on Bottom

## Text on the board
B.Silkscreen: JLCJLCJLCJLC | lumpen v1.0 by Calvin#0563
